# Altium PCB S7.PcbDoc (part 1 of 6) (continued)
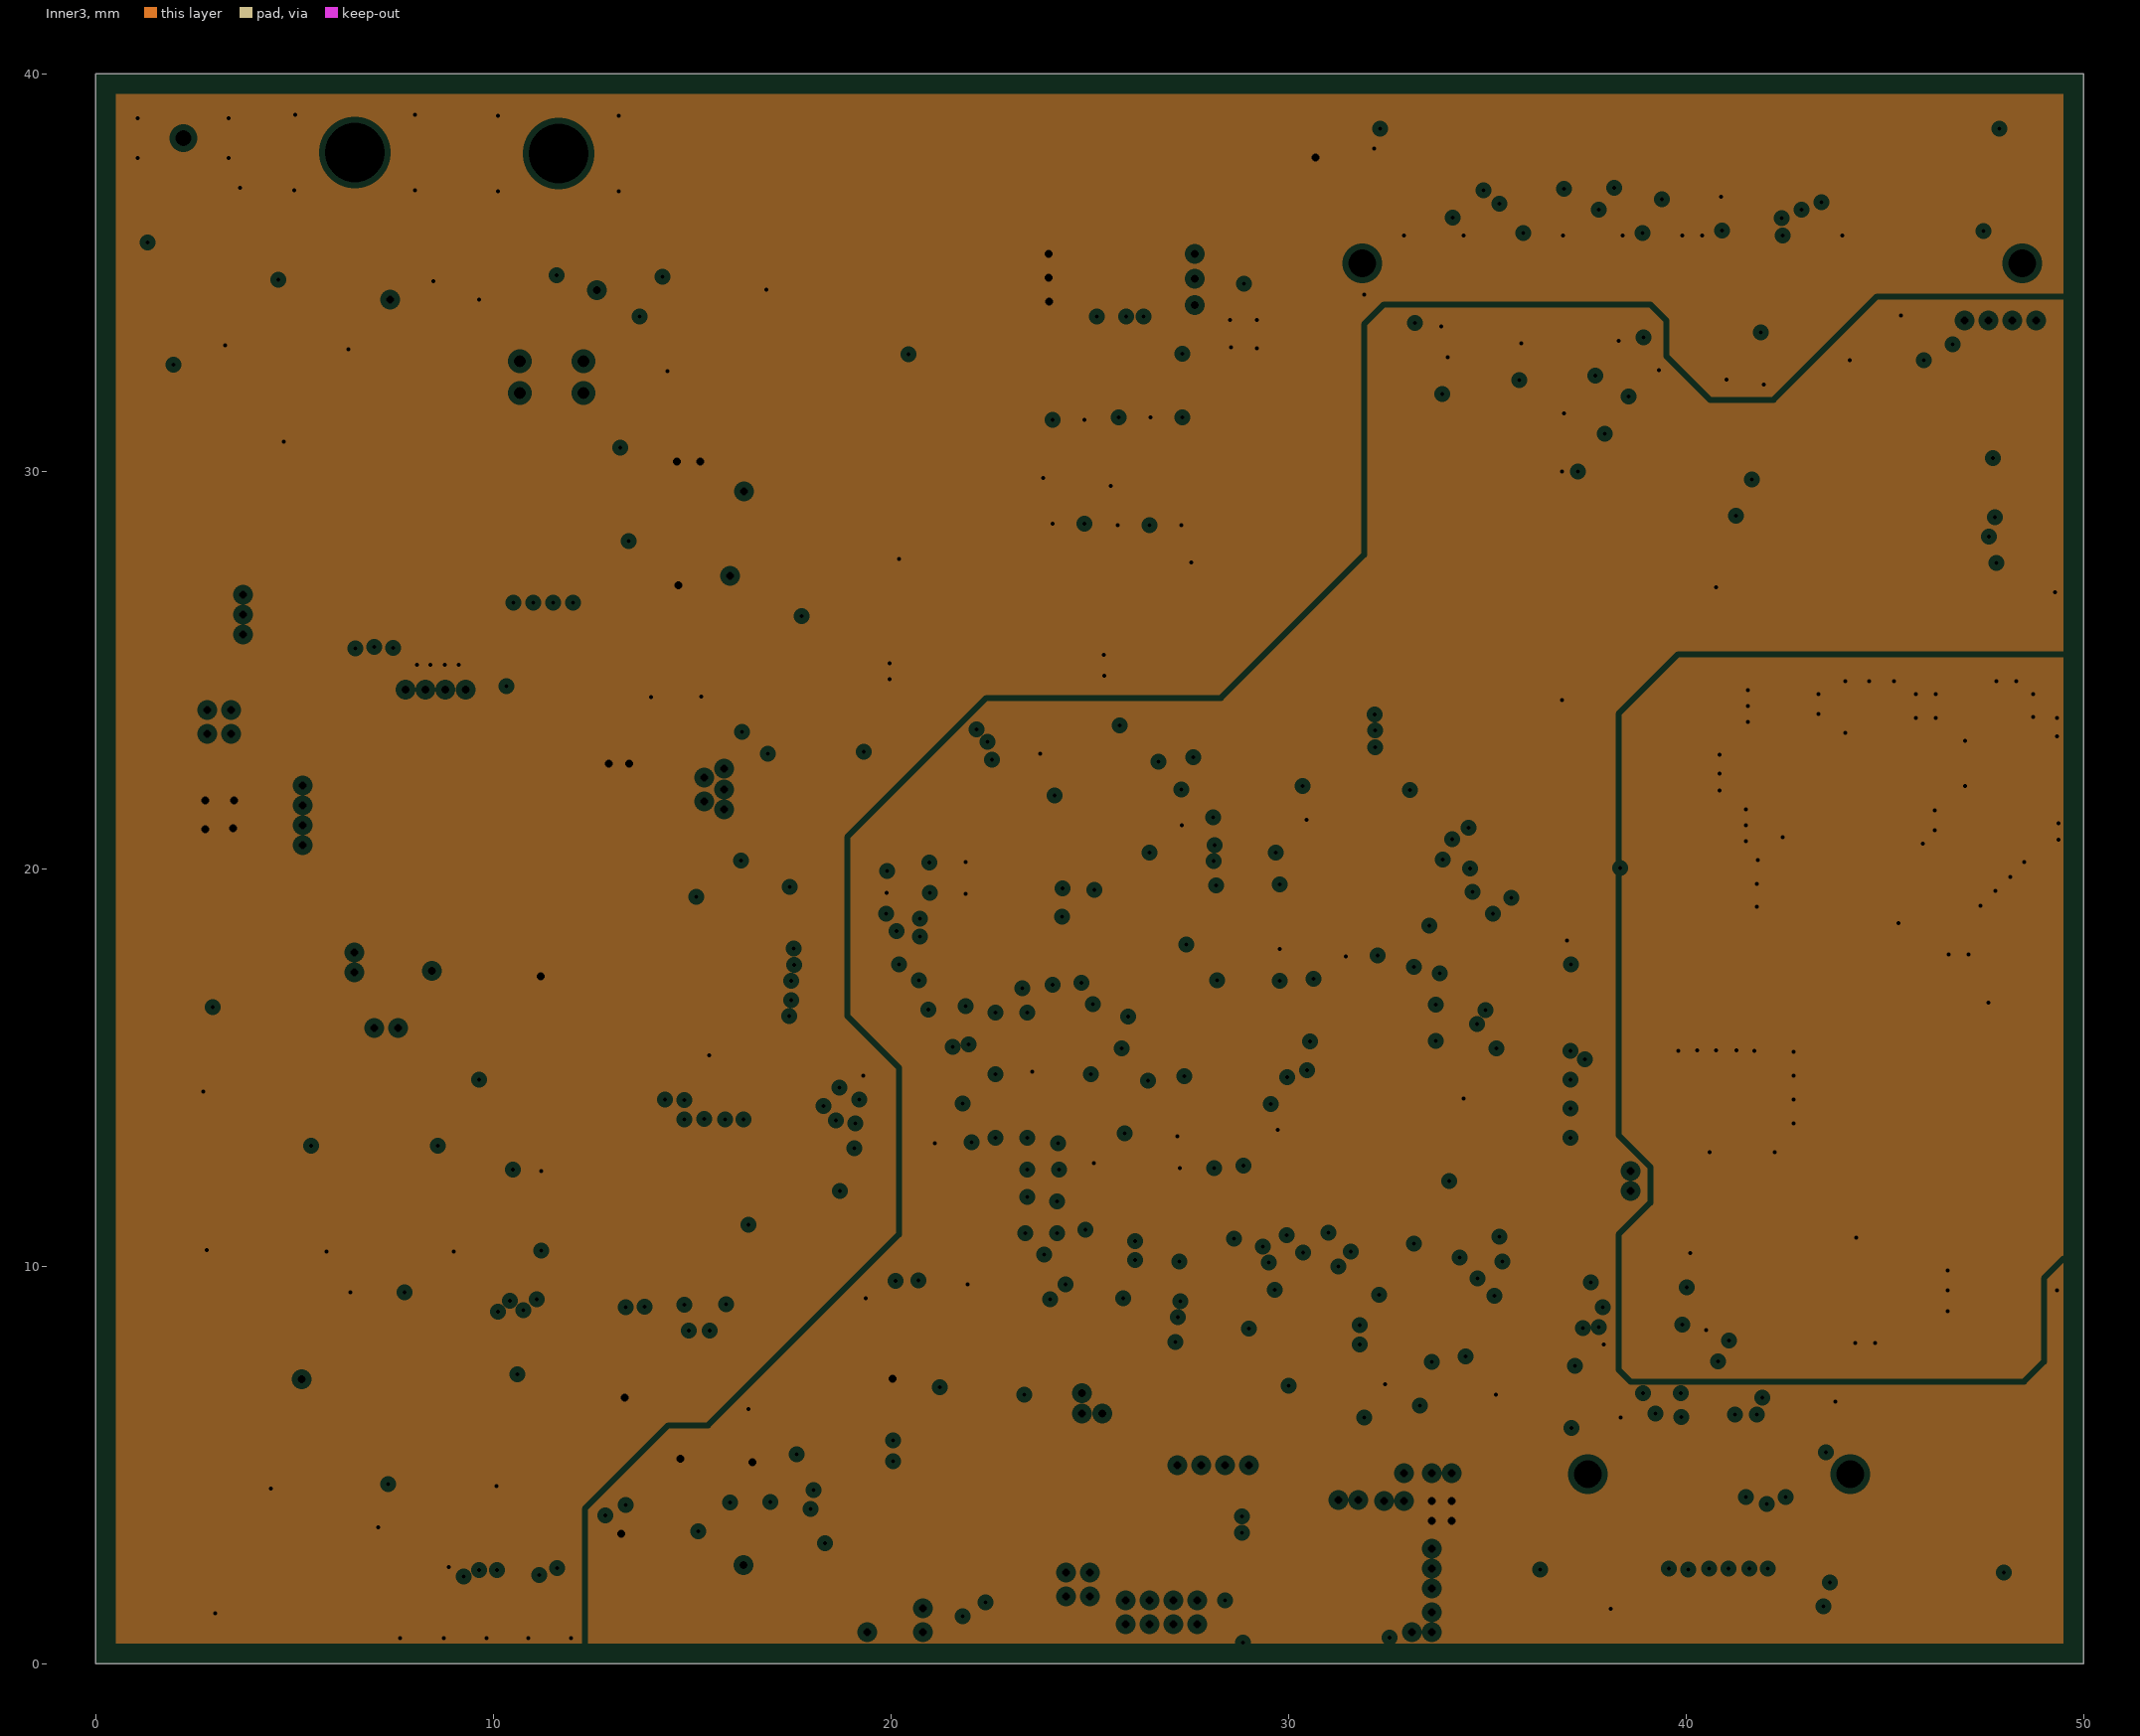
[diagram p4: Inner3, clearances drawn from the general rule]
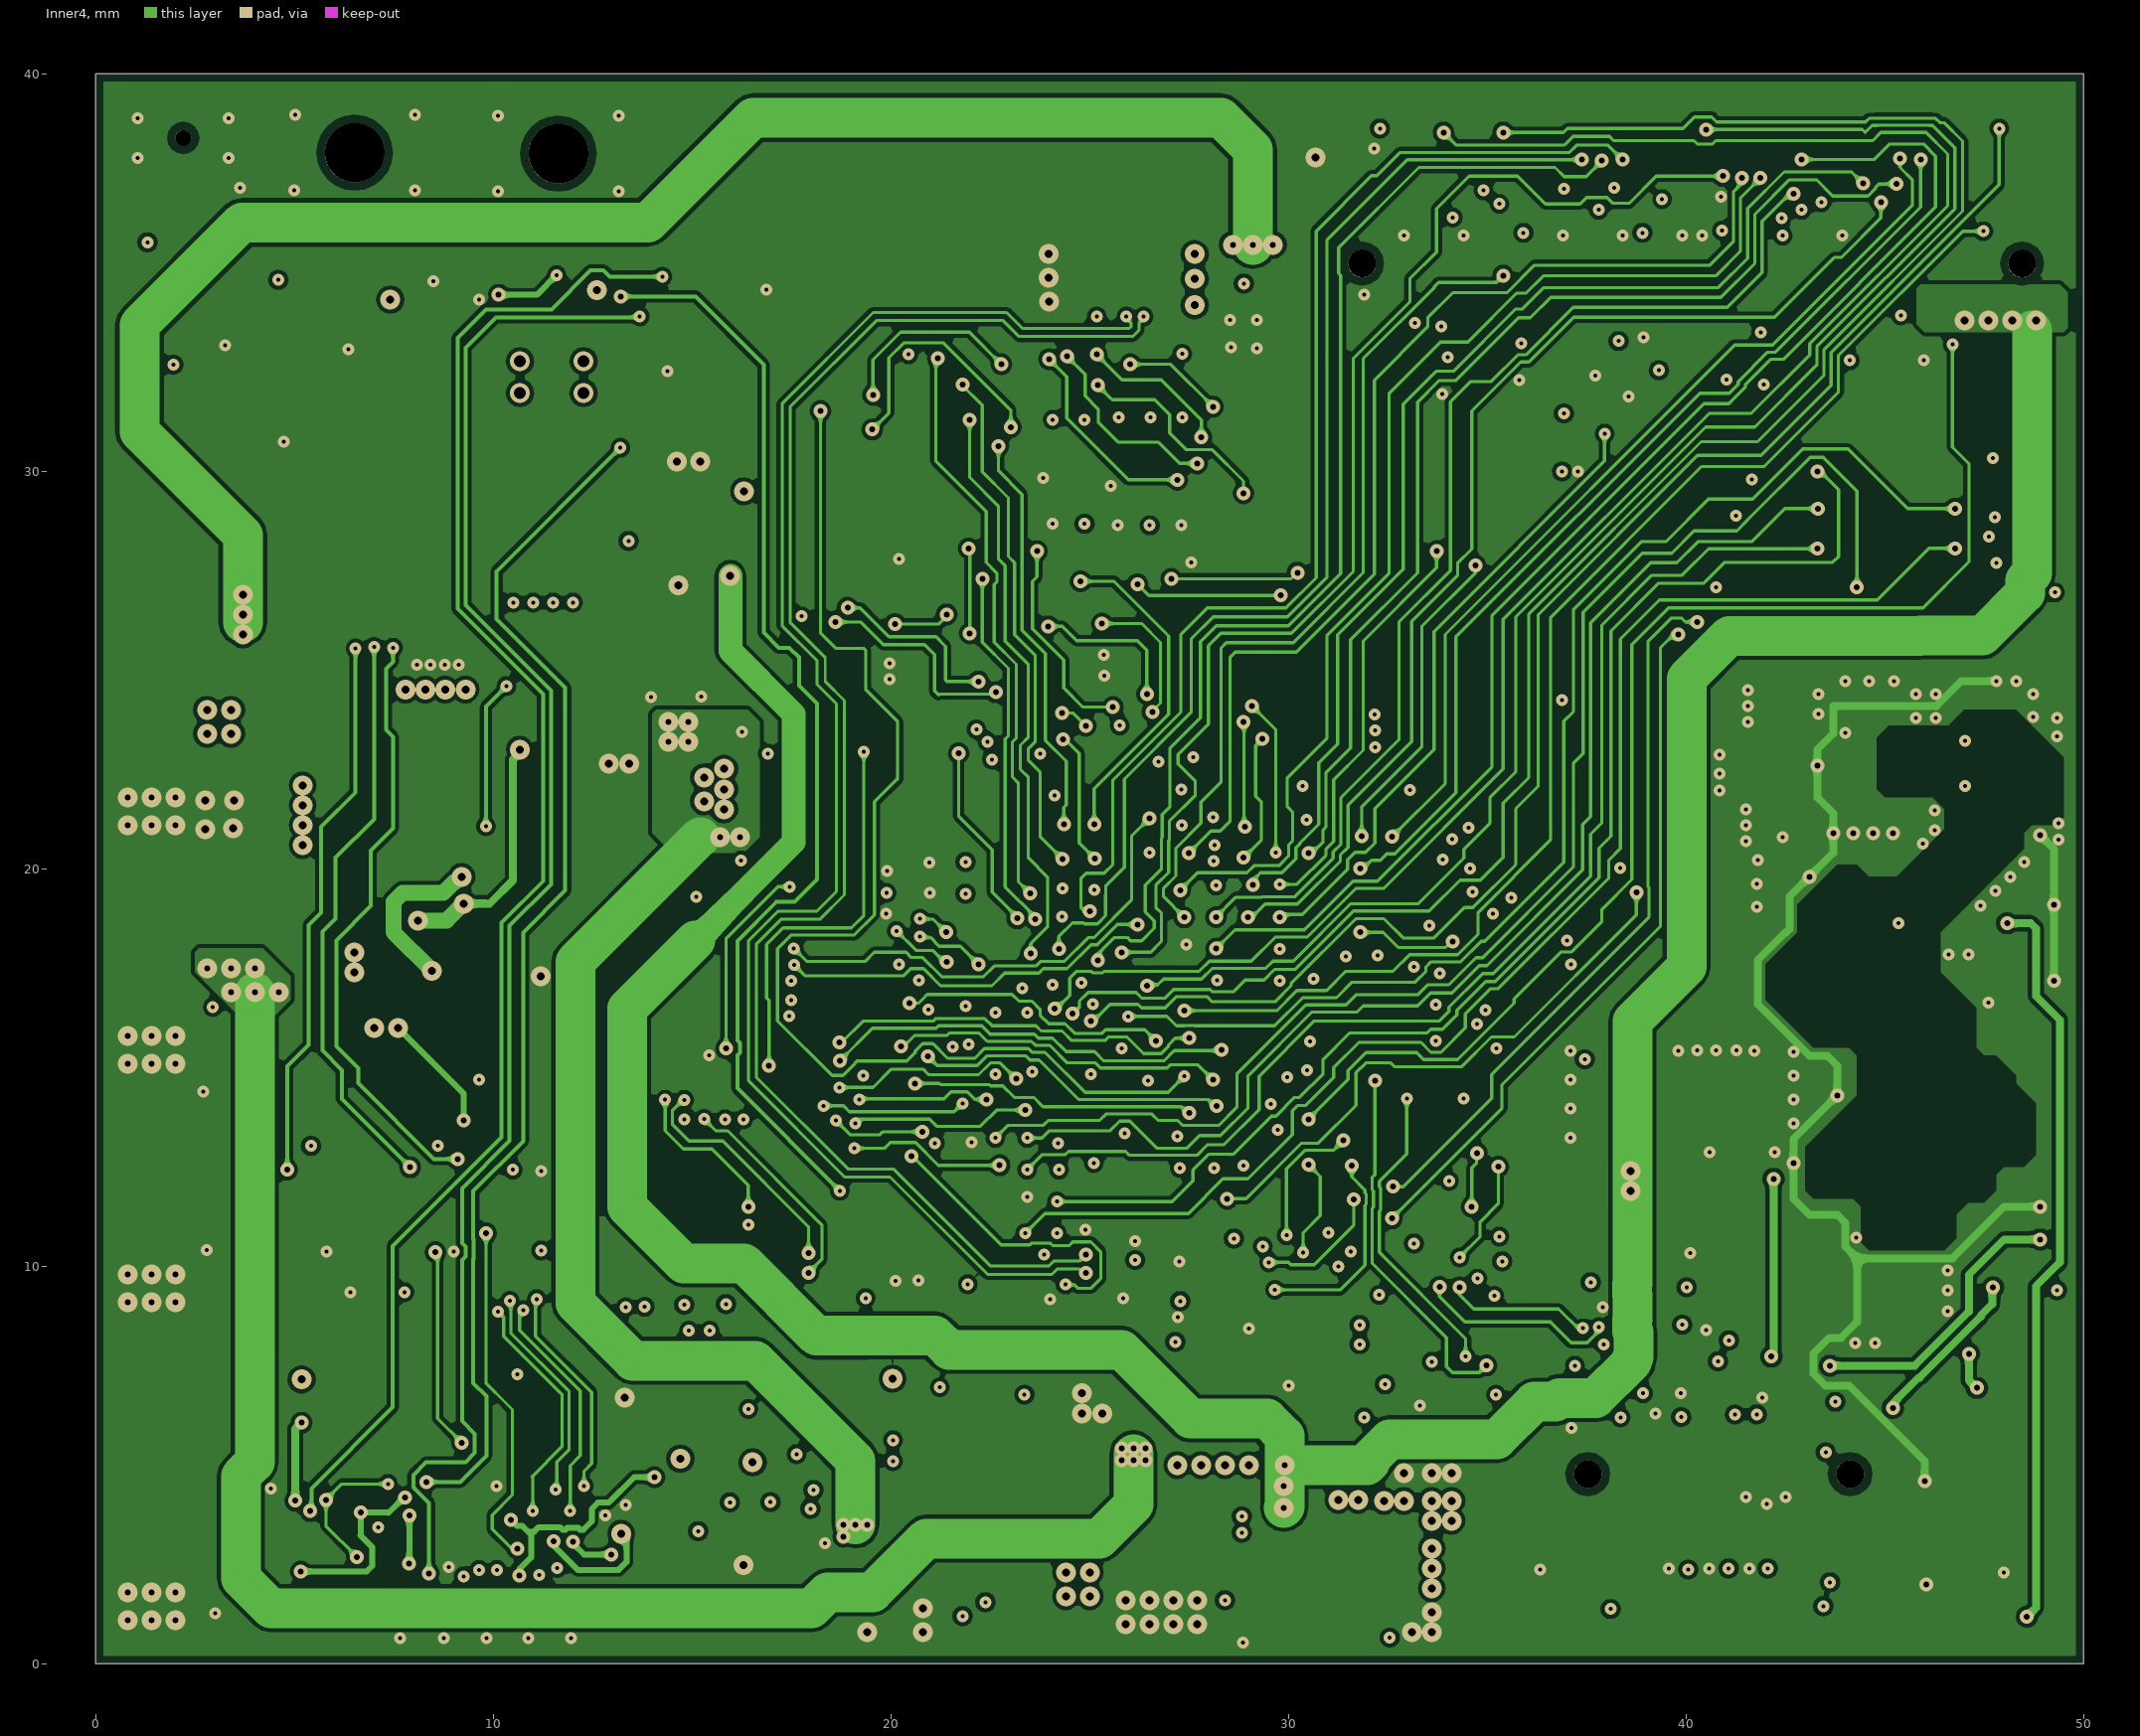
[diagram p5: Inner4]
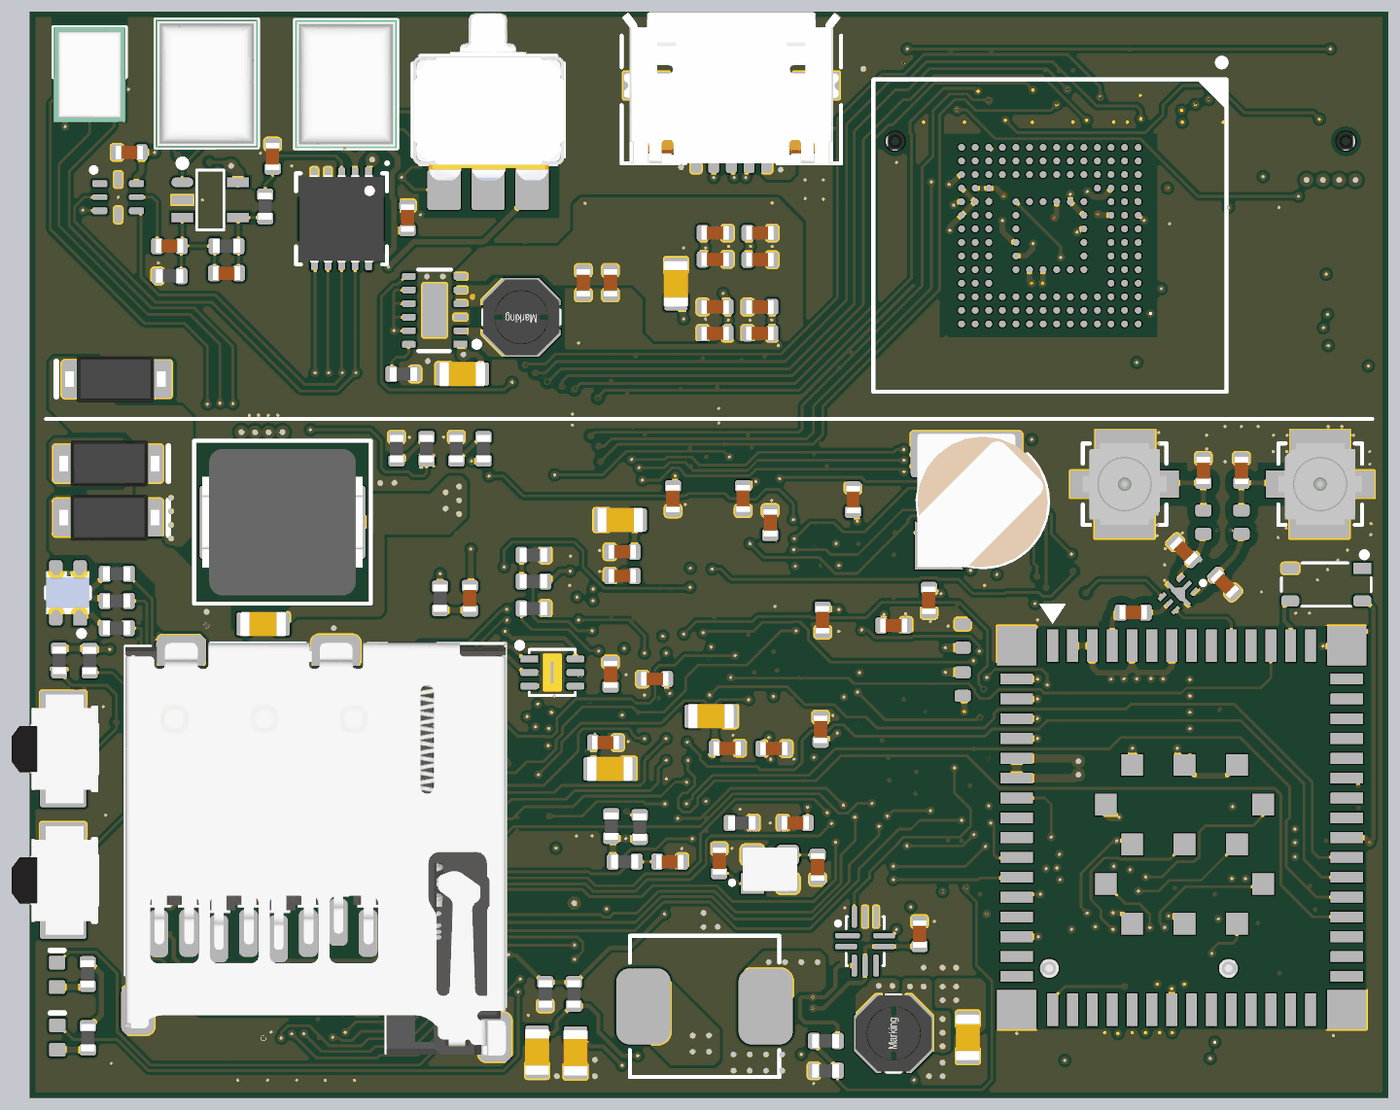
[diagram p11: 3D render of the assembled board from above, using the file's embedded part models]
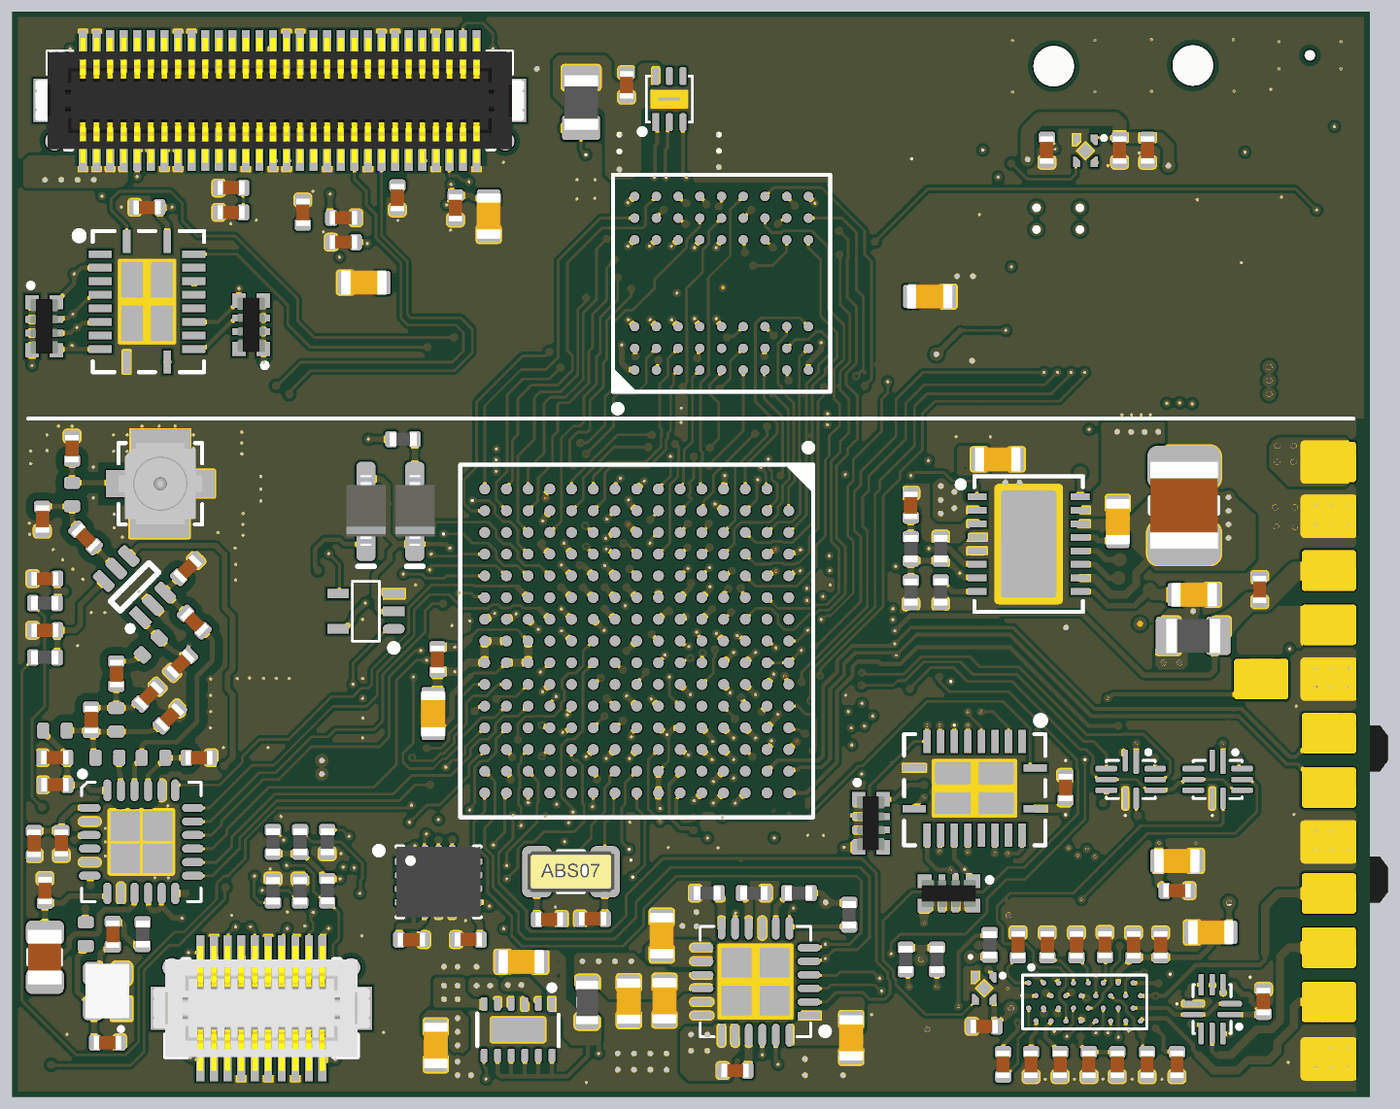
[diagram p12: 3D render of the assembled board from below, using the file's embedded part models]

## Layer stack, top to bottom
Top Solder: solder mask 0.0102, Solder Resist, Dk 3.5
Component Side: signal copper 0.047
Dielectric1: prepreg 0.11, R1650V, Dk 4.2
Inner1: signal copper 0.018
Dielectric2: core 0.1, R-1755V, Dk 4.2
Inner2: plane copper 0.018, net GND
Dielectric3: prepreg 0.11, R1650V, Dk 4.2
Inner3: plane copper 0.018, net (Multiple Nets)
Dielectric4: core 0.1, R-1755V, Dk 4.2
Inner4: signal copper 0.018
Dielectric5: prepreg 0.11, R1650V, Dk 4.2
Solder Side: signal copper 0.047
Bottom Solder: solder mask 0.0102, Solder Resist, Dk 3.5

## Board outline
0,0 0,40 50,40 50,0

## Design rules (kind name [scope] priority, off if disabled: settings)
BoardOutlineClearance [All] p1: gap=0.2 ignorepadtopadclearanceinfootprint=FALSE
Clearance Clearance_RF [InNetClass('RF')] p1: gap=0.18 ignorepadtopadclearanceinfootprint=TRUE except(0.15: SMDPad-Region; 0.3: Arc-Poly Track-Poly SMDPad-Poly THPad-Poly Via-Poly Fill-Poly Poly-Poly)
Clearance [All] p2: gap=0.1 ignorepadtopadclearanceinfootprint=TRUE except(0.2: Arc-Hole Track-Hole Via-Hole Fill-Hole Poly-Hole Region-Hole)
ComponentClearance [All] p1: gap=0 collisioncheckmode=3 verticalgap=0 showdistances=FALSE
DiffPairsRouting "Schematic Differential Pairs Routing_5" [InNet('USBHS_N')] p1: maxlimit=0.127 minlimit=0.127 mostfreqgap=0.127 toplayer_minwidth=0.138 toplayer_maxwidth=0.138 toplayer_prefwidth=0.138 midlayer1_minwidth=0.075 midlayer1_maxwidth=0.075 midlayer1_prefwidth=0.075 midlayer2_minwidth=0.075 midlayer2_maxwidth=0.075 midlayer2_prefwidth=0.075 bottomlayer_minwidth=0.138 bottomlayer_maxwidth=0.138 bottomlayer_prefwidth=0.138 impedanceprofiledriven=TRUE impedanceprofileid={93D878EE-DA20-42EF-A07E-9C8B693F8960} impedanceprofilevalue=90.000000 maxuncoupledlength=12.7
DiffPairsRouting "Schematic Differential Pairs Routing_2" [InNet('USBHS_P')] p2: maxlimit=0.127 minlimit=0.127 mostfreqgap=0.127 toplayer_minwidth=0.138 toplayer_maxwidth=0.138 toplayer_prefwidth=0.138 midlayer1_minwidth=0.075 midlayer1_maxwidth=0.075 midlayer1_prefwidth=0.075 midlayer2_minwidth=0.075 midlayer2_maxwidth=0.075 midlayer2_prefwidth=0.075 bottomlayer_minwidth=0.138 bottomlayer_maxwidth=0.138 bottomlayer_prefwidth=0.138 impedanceprofiledriven=TRUE impedanceprofileid={93D878EE-DA20-42EF-A07E-9C8B693F8960} impedanceprofilevalue=90.000000 maxuncoupledlength=12.7
DiffPairsRouting "Schematic Differential Pairs Routing_4" [InNet('USB_P')] p3: maxlimit=0.127 minlimit=0.127 mostfreqgap=0.127 toplayer_minwidth=0.138 toplayer_maxwidth=0.138 toplayer_prefwidth=0.138 midlayer1_minwidth=0.075 midlayer1_maxwidth=0.075 midlayer1_prefwidth=0.075 midlayer2_minwidth=0.075 midlayer2_maxwidth=0.075 midlayer2_prefwidth=0.075 bottomlayer_minwidth=0.138 bottomlayer_maxwidth=0.138 bottomlayer_prefwidth=0.138 impedanceprofiledriven=TRUE impedanceprofileid={93D878EE-DA20-42EF-A07E-9C8B693F8960} impedanceprofilevalue=90.000000 maxuncoupledlength=12.7
DiffPairsRouting "Schematic Differential Pairs Routing_3" [InNet('USB_N')] p4: maxlimit=0.127 minlimit=0.127 mostfreqgap=0.127 toplayer_minwidth=0.138 toplayer_maxwidth=0.138 toplayer_prefwidth=0.138 midlayer1_minwidth=0.075 midlayer1_maxwidth=0.075 midlayer1_prefwidth=0.075 midlayer2_minwidth=0.075 midlayer2_maxwidth=0.075 midlayer2_prefwidth=0.075 bottomlayer_minwidth=0.138 bottomlayer_maxwidth=0.138 bottomlayer_prefwidth=0.138 impedanceprofiledriven=TRUE impedanceprofileid={93D878EE-DA20-42EF-A07E-9C8B693F8960} impedanceprofilevalue=90.000000 maxuncoupledlength=12.7
HoleSize [All] p1: absolutevalues=TRUE maxlimit=5 minlimit=0.1 maxpercent=80.000 minpercent=20.000
HoleToHoleClearance [All] p1: gap=0.15 allowstackedmicrovias=TRUE
MinimumAnnularRing [All] p1: minimumring=0.05
MinimumSolderMaskSliver [All] p1: minsoldermaskwidth=0.08
PlaneClearance [All] p1: clearance=0.15
PlaneConnect [All] p1: planeconnectstyle=Direct reliefexpansion=0.508 reliefentries=4 reliefconductorwidth=0.254 reliefairgap=0.254
PolygonConnect [All] p1: connectstyle=Direct reliefconductorwidth=0.254 reliefentries=4 polygonreliefangle="90 Angle" airgapwidth=0.254
RoutingVias [All] p1: holewidth=0.2 width=0.4 viastyle="Through Hole" minholewidth=0.1 minwidth=0.3 maxholewidth=5 maxwidth=6
SilkToSilkClearance [All] p1: silktosilkclearance=0.05
SilkToSolderMaskClearance [IsPad] p1: minsilkscreentomaskgap=0.05 clearancetoexposedcopper=TRUE
SolderMaskExpansion [All] p1: expansion=0.05 istentingtop=FALSE
Width Width_RF [InNetClass('RF')] p1: maxlimit=0.2 minlimit=0.06 preferedwidth=0.174 midlayer1_prefwidth=0.069 midlayer2_prefwidth=0.069 impedanceprofiledriven=TRUE impedanceprofileid={0E714457-3792-4BE7-9194-4F80763CE3E2} impedanceprofilevalue=50.000000 minimp=50.000000 maximp=50.000000 favimp=50.000000
Width [All] p2: maxlimit=5 minlimit=0.075 preferedwidth=0.15 toplayer_minwidth=0.1 bottomlayer_minwidth=0.1 minimp=50.000000 maximp=50.000000 favimp=50.000000
21 further rules are at their usual default settings.

## Classes and differential pairs
net class RF: NetC23_2 NetC24_1 NetC24_2 NetC25_2 NetC32_2 NetC33_2 NetC86_1 NetC86_2 NetC89_2 NetC92_1 NetC95_1 NetC96_1 NetC96_2 NetC98_1 NetC98_2 NetC105_2 NetL11_1
differential pair USB: +USB_P -USB_N
differential pair USBHS: +USBHS_P -USBHS_N

## Components (designator, comment, footprint, x,y, rotation, side; value= is the part's Value field where it differs from the comment)
ACC1 "ML414H IV01E" ML414H 34.477,23.7 r180 top
BT1 "B3U-3000P" B3U-3000P 1.225,8.007 r90 top
BT2 "B3U-3000P" B3U-3000P 1.225,12.85 r90 top
C1 "Capacitor" "0603 CAP" 20.088,1.66 r90 top value=10µF (schematic designator C57)
C2 "Capacitor" "0603 CAP" 18.675,1.69 r270 top value=10µF (schematic designator C62)
C3 "Capacitor" "0603 CAP" 34.528,2.228 r270 top value=10µF (schematic designator C123)
C4 "Capacitor" "0402 CAP" 32.75,6.04 r90 top value=0.1µF (schematic designator C52)
C5 "Capacitor" "0402 CAP" 23.552,8.7 r0 top value=0.1µF (schematic designator C25)
C6 "Capacitor" "0402 CAP" 25.375,8.725 r90 top value=10pF (schematic designator C28)
C7 "Capacitor" "0402 CAP" 29,8.498 r270 top value=10pF (schematic designator C29)
C8 "Capacitor" "0603 CAP" 21.352,12.115 r0 top value=10µF (schematic designator C27)
C9 "Capacitor" "0402 CAP" 28.175,10.125 r180 top value=0.1µF (schematic designator C38)
C10 "Capacitor" "0402 CAP" 21.189,13.083 r0 top value=0.1µF (schematic designator C26)
C11 "Capacitor" "0402 CAP" 25.677,12.88 r0 top value=0.1µF (schematic designator C30)
C12 "Capacitor" "0402 CAP" 27.389,12.864 r0 top value=0.1µF (schematic designator C49)
C13 "Capacitor" "0402 CAP" 29.11,13.57 r90 top value=0.1µF (schematic designator C48)
C14 "Capacitor" "0402 CAP" 21.375,15.597 r90 top value=0.1µF (schematic designator C39)
C15 "Capacitor" "0603 CAP" 25.075,14.058 r0 top value=10µF (schematic designator C31)
C16 "Capacitor" "0603 CAP" 8.585,17.447 r180 top value=0.1µF (schematic designator C117)
C17 "Capacitor" "0402 CAP" 23,15.425 r180 top value=0.1µF (schematic designator C44)
C18 "Capacitor" "0402 CAP" 16.2,18.4 r270 top value=4700pF (schematic designator C120)
C19 "Capacitor" "0402 CAP" 29.187,17.604 r270 top value=0.1µF (schematic designator C43)
C20 "Capacitor" "0402 CAP" 33.1,18.325 r270 top value=0.1µF (schematic designator C37)
C21 "Capacitor" "0402 CAP" 31.8,17.4 r0 top value=0.1µF (schematic designator C41)
C22 "Capacitor" "0402 CAP" 21.806,19.218 r180 top value=0.1µF (schematic designator C47)
C23 "Capacitor" "0402 CAP" 42.48,20.145 r315 top value=0.2pF (schematic designator C91)
C24 "Capacitor" "0402 CAP" 40.619,17.872 r180 top value=4.7pF (schematic designator C92)
C25 "Capacitor" "0402 CAP" 43.978,18.925 r135 top value=0.2pF (schematic designator C94)
C26 "Capacitor" "0402 CAP" 21.804,20.109 r180 top value=0.1µF (schematic designator C46)
C27 "Capacitor" "0603 CAP" 21.735,21.278 r180 top value=10µF (schematic designator C51)
C28 "Capacitor" "0402 CAP" 23.677,22.068 r270 top value=0.1µF (schematic designator C45)
C29 "Capacitor" "0402 CAP" 26.26,22.077 r270 top value=0.1µF (schematic designator C40)
C30 "Capacitor" "0402 CAP" 27.252,21.179 r90 top value=0.1µF (schematic designator C50)
C31 "Capacitor" "0402 CAP" 30.303,22.027 r90 top value=0.1µF (schematic designator C42)
C32 "Capacitor" "0402 CAP" 43.2,23.1 r270 top value=1pF (schematic designator C90)
C33 "Capacitor" "0402 CAP" 44.6,23.1 r270 top value=1pF (schematic designator C93)
C34 "Capacitor" "0603 CAP" 15.921,26.655 r0 top value=10µF (schematic designator C61)
C35 "Capacitor" "0402 CAP" 26.875,29.125 r0 top value=0.1µF (schematic designator C15)
C36 "Capacitor" "0402 CAP" 25.225,29.125 r0 top value=0.1µF (schematic designator C16)
C37 "Capacitor" "0402 CAP" 26.873,28.155 r0 top value=10nF (schematic designator C20)
C38 "Capacitor" "0402 CAP" 25.225,28.16 r0 top value=10nF (schematic designator C21)
C39 "Capacitor" "0402 CAP" 5.137,31.367 r180 top value=1µF (schematic designator C84)
C40 "Capacitor" "0402 CAP" 7.237,30.367 r0 top value=100pF (schematic designator C86)
C41 "Capacitor" "0402 CAP" 21.375,30.015 r270 top value=0.1µF (schematic designator C18)
C42 "Capacitor" "0402 CAP" 20.375,30.015 r270 top value=10nF (schematic designator C23)
C43 "Capacitor" "0603 CAP" 23.785,29.975 r270 top value=10µF (schematic designator C115)
C44 "Capacitor" "0402 CAP" 13.901,32.4 r90 top value=1µF (schematic designator C83)
C45 "Capacitor" "0402 CAP" 26.875,31.845 r180 top value=0.1µF (schematic designator C14)
C46 "Capacitor" "0402 CAP" 25.225,30.875 r180 top value=0.1µF (schematic designator C17)
C47 "Capacitor" "0402 CAP" 26.875,30.865 r180 top value=10nF (schematic designator C19)
C48 "Capacitor" "0402 CAP" 3.662,34.817 r0 top value=0.1µF (schematic designator C89)
C49 "Capacitor" "0402 CAP" 25.225,31.845 r180 top value=10nF (schematic designator C22)
C50 "Capacitor" "0402 CAP" 8.937,34.667 r270 top value=100pF (schematic designator C85)
C51 "Capacitor" "0402 CAP" 46.5,2 r0 bottom value=0.1µF (schematic designator C103)
C52 "Capacitor" "0603 CAP" 34.4,1.9 r90 bottom value=10µF (schematic designator C59)
C53 "Capacitor" "0402 CAP" 23.375,0.973 r180 bottom value=0.047µF (schematic designator C58)
C54 "Capacitor" "0402 CAP" 11.4,1.2 r270 bottom value=1µF (schematic designator C73)
C55 "Capacitor" "0402 CAP" 12.47,1.2 r270 bottom value=1µF (schematic designator C75)
C56 "Capacitor" "0603 CAP" 27.29,3.531 r270 bottom value=10µF (schematic designator C55)
C57 "Capacitor" "0603 CAP" 19.1,2.178 r270 bottom value=10µF (schematic designator C54)
C58 "Capacitor" "0402 CAP" 14.2,2.6 r0 bottom value=1µF (schematic designator C67)
C59 "Capacitor" "0402 CAP" 13.5,1.2 r270 bottom value=1µF (schematic designator C79)
C60 "Capacitor" "0603 CAP" 25.978,3.544 r270 bottom value=10µF (schematic designator C56)
C61 "Capacitor" "0402 CAP" 28.627,6.562 r0 bottom value=12pF (schematic designator C33)
C62 "Capacitor" "0402 CAP" 30.223,6.548 r180 bottom value=12pF (schematic designator C34)
C63 "Capacitor" "0402 CAP" 10.34,1.2 r270 bottom value=0.1µF (schematic designator C65)
C64 "Capacitor" "0402 CAP" 9.3,1.2 r270 bottom value=1µF (schematic designator C66)
C65 "Capacitor" "0402 CAP" 7.1,1.2 r90 bottom value=1µF (schematic designator C68)
C66 "Capacitor" "0402 CAP" 8.2,1.2 r90 bottom value=1µF (schematic designator C69)
C67 "Capacitor" "0603 CAP" 31.25,4.982 r180 bottom value=10µF (schematic designator C53)
C68 "Capacitor" "0402 CAP" 3.908,3.515 r270 bottom value=0.1µF (schematic designator C64)
C69 "Capacitor" "0402 CAP" 46.3,6 r90 bottom value=10pF (schematic designator C104)
C70 "Capacitor" "0402 CAP" 48.8,7.6 r90 bottom value=0.47µF (schematic designator C112)
C71 "Capacitor" "0402 CAP" 35.3,5.8 r180 bottom value=0.1µF (schematic designator C88)
C72 "Capacitor" "0402 CAP" 33.2,5.8 r0 bottom value=0.1µF (schematic designator C87)
C73 "Capacitor" "0603 CAP" 26.078,5.944 r270 bottom value=10µF (schematic designator C60)
C74 "Capacitor" "0402 CAP" 12.955,5.6 r90 bottom value=1µF
C75 "Capacitor" "0402 CAP" 11.875,5.6 r90 bottom value=1µF (schematic designator C76)
C76 "Capacitor" "0402 CAP" 10.8,5.6 r90 bottom value=1µF (schematic designator C77)
C77 "Capacitor" "0402 CAP" 8.7,5.6 r90 bottom value=0.1µF (schematic designator C70)
C78 "Capacitor" "0402 CAP" 9.75,5.612 r90 bottom value=1µF
C79 "Capacitor" "0402 CAP" 7.7,5.6 r90 bottom value=1µF (schematic designator C71)
C80 "Capacitor" "0402 CAP" 49.2,9.348 r90 bottom value=1µF (schematic designator C98)
C81 "Capacitor" "0402 CAP" 48.2,9.352 r90 bottom value=0.1µF (schematic designator C99)
C82 "Capacitor" "0402 CAP" 7.1,7.6 r0 bottom value=0.1µF (schematic designator C3)
C83 "Capacitor" "0603 CAP" 5.85,6.065 r0 bottom value=10µF (schematic designator C72)
C84 "Capacitor" "0603 CAP" 7.1,8.7 r0 bottom value=10µF (schematic designator C4)
C85 "Capacitor" "0402 CAP" 48.427,11.5 r0 bottom value=0.047µF (schematic designator C95)
C86 "Capacitor" "0402 CAP" 47.1,13.9 r90 bottom value=3.3pF (schematic designator C100)
C87 "Capacitor" "0402 CAP" 48.436,12.5 r0 bottom value=47pF (schematic designator C96)
C88 "Capacitor" "0402 CAP" 11.2,11.4 r270 bottom value=0.1µF (schematic designator C2)
C89 "Capacitor" "0402 CAP" 46.172,15.6 r90 bottom value=39pF (schematic designator C101)
C90 "Capacitor_0402" "0402 CAP" 44.2,14 r135 bottom value=DNP (schematic designator C105)
C91 "Capacitor" "0402 CAP" 44.97,14.8 r135 bottom value=5.6pF (schematic designator C106)